# Altium PCB APP_EMILE.PcbDoc (part 1 of 6)
Units mil, origin at the board's own origin, x right, y up, seen from the top; angles counter-clockwise.
Board outline 7620.03 x 9320.03 mil, 12 copper layers (L1_Signal, L2_GND, L3_Signal, L4_GND, L5_Power, L6_GND, L7_GND, L8_Power, L9_GND, L10_Signal, L11_GND, L12_Signal), stack 74.268 mil thick; 395 components, 338 nets, 2140 pads, 1400 vias.
Unrouted connection lines stored in the file: 223.
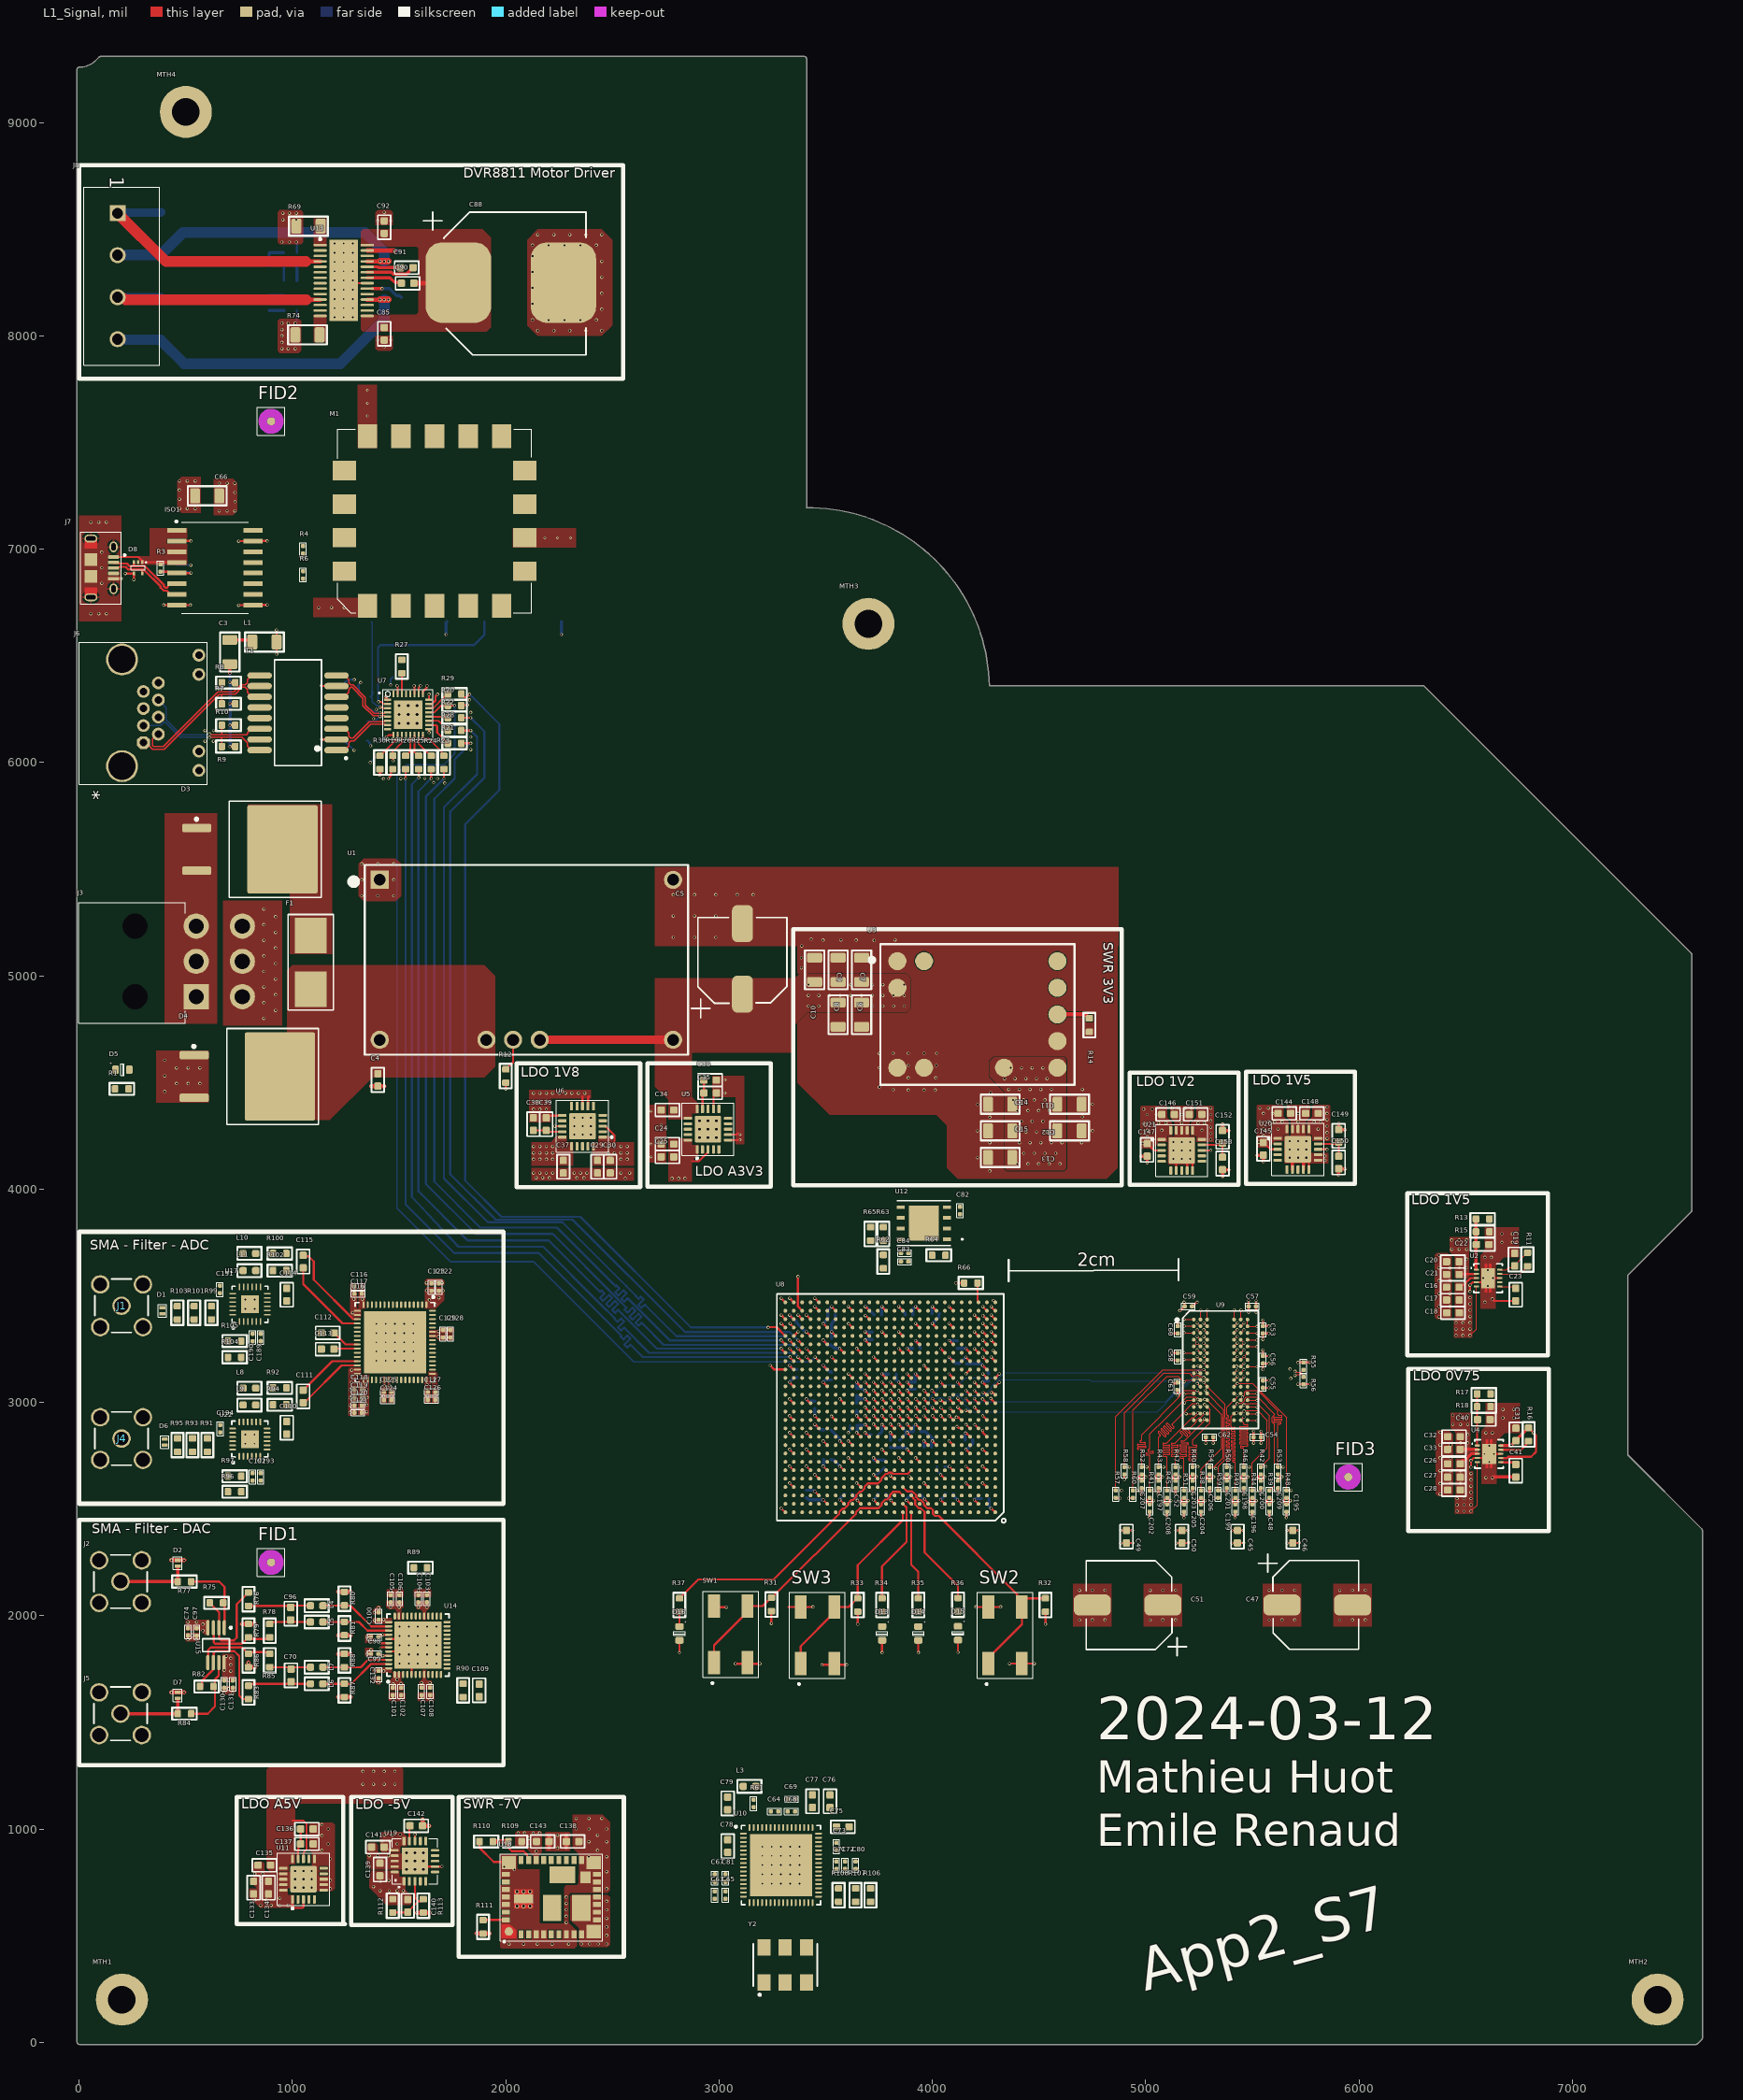
[diagram p0: L1_Signal view]
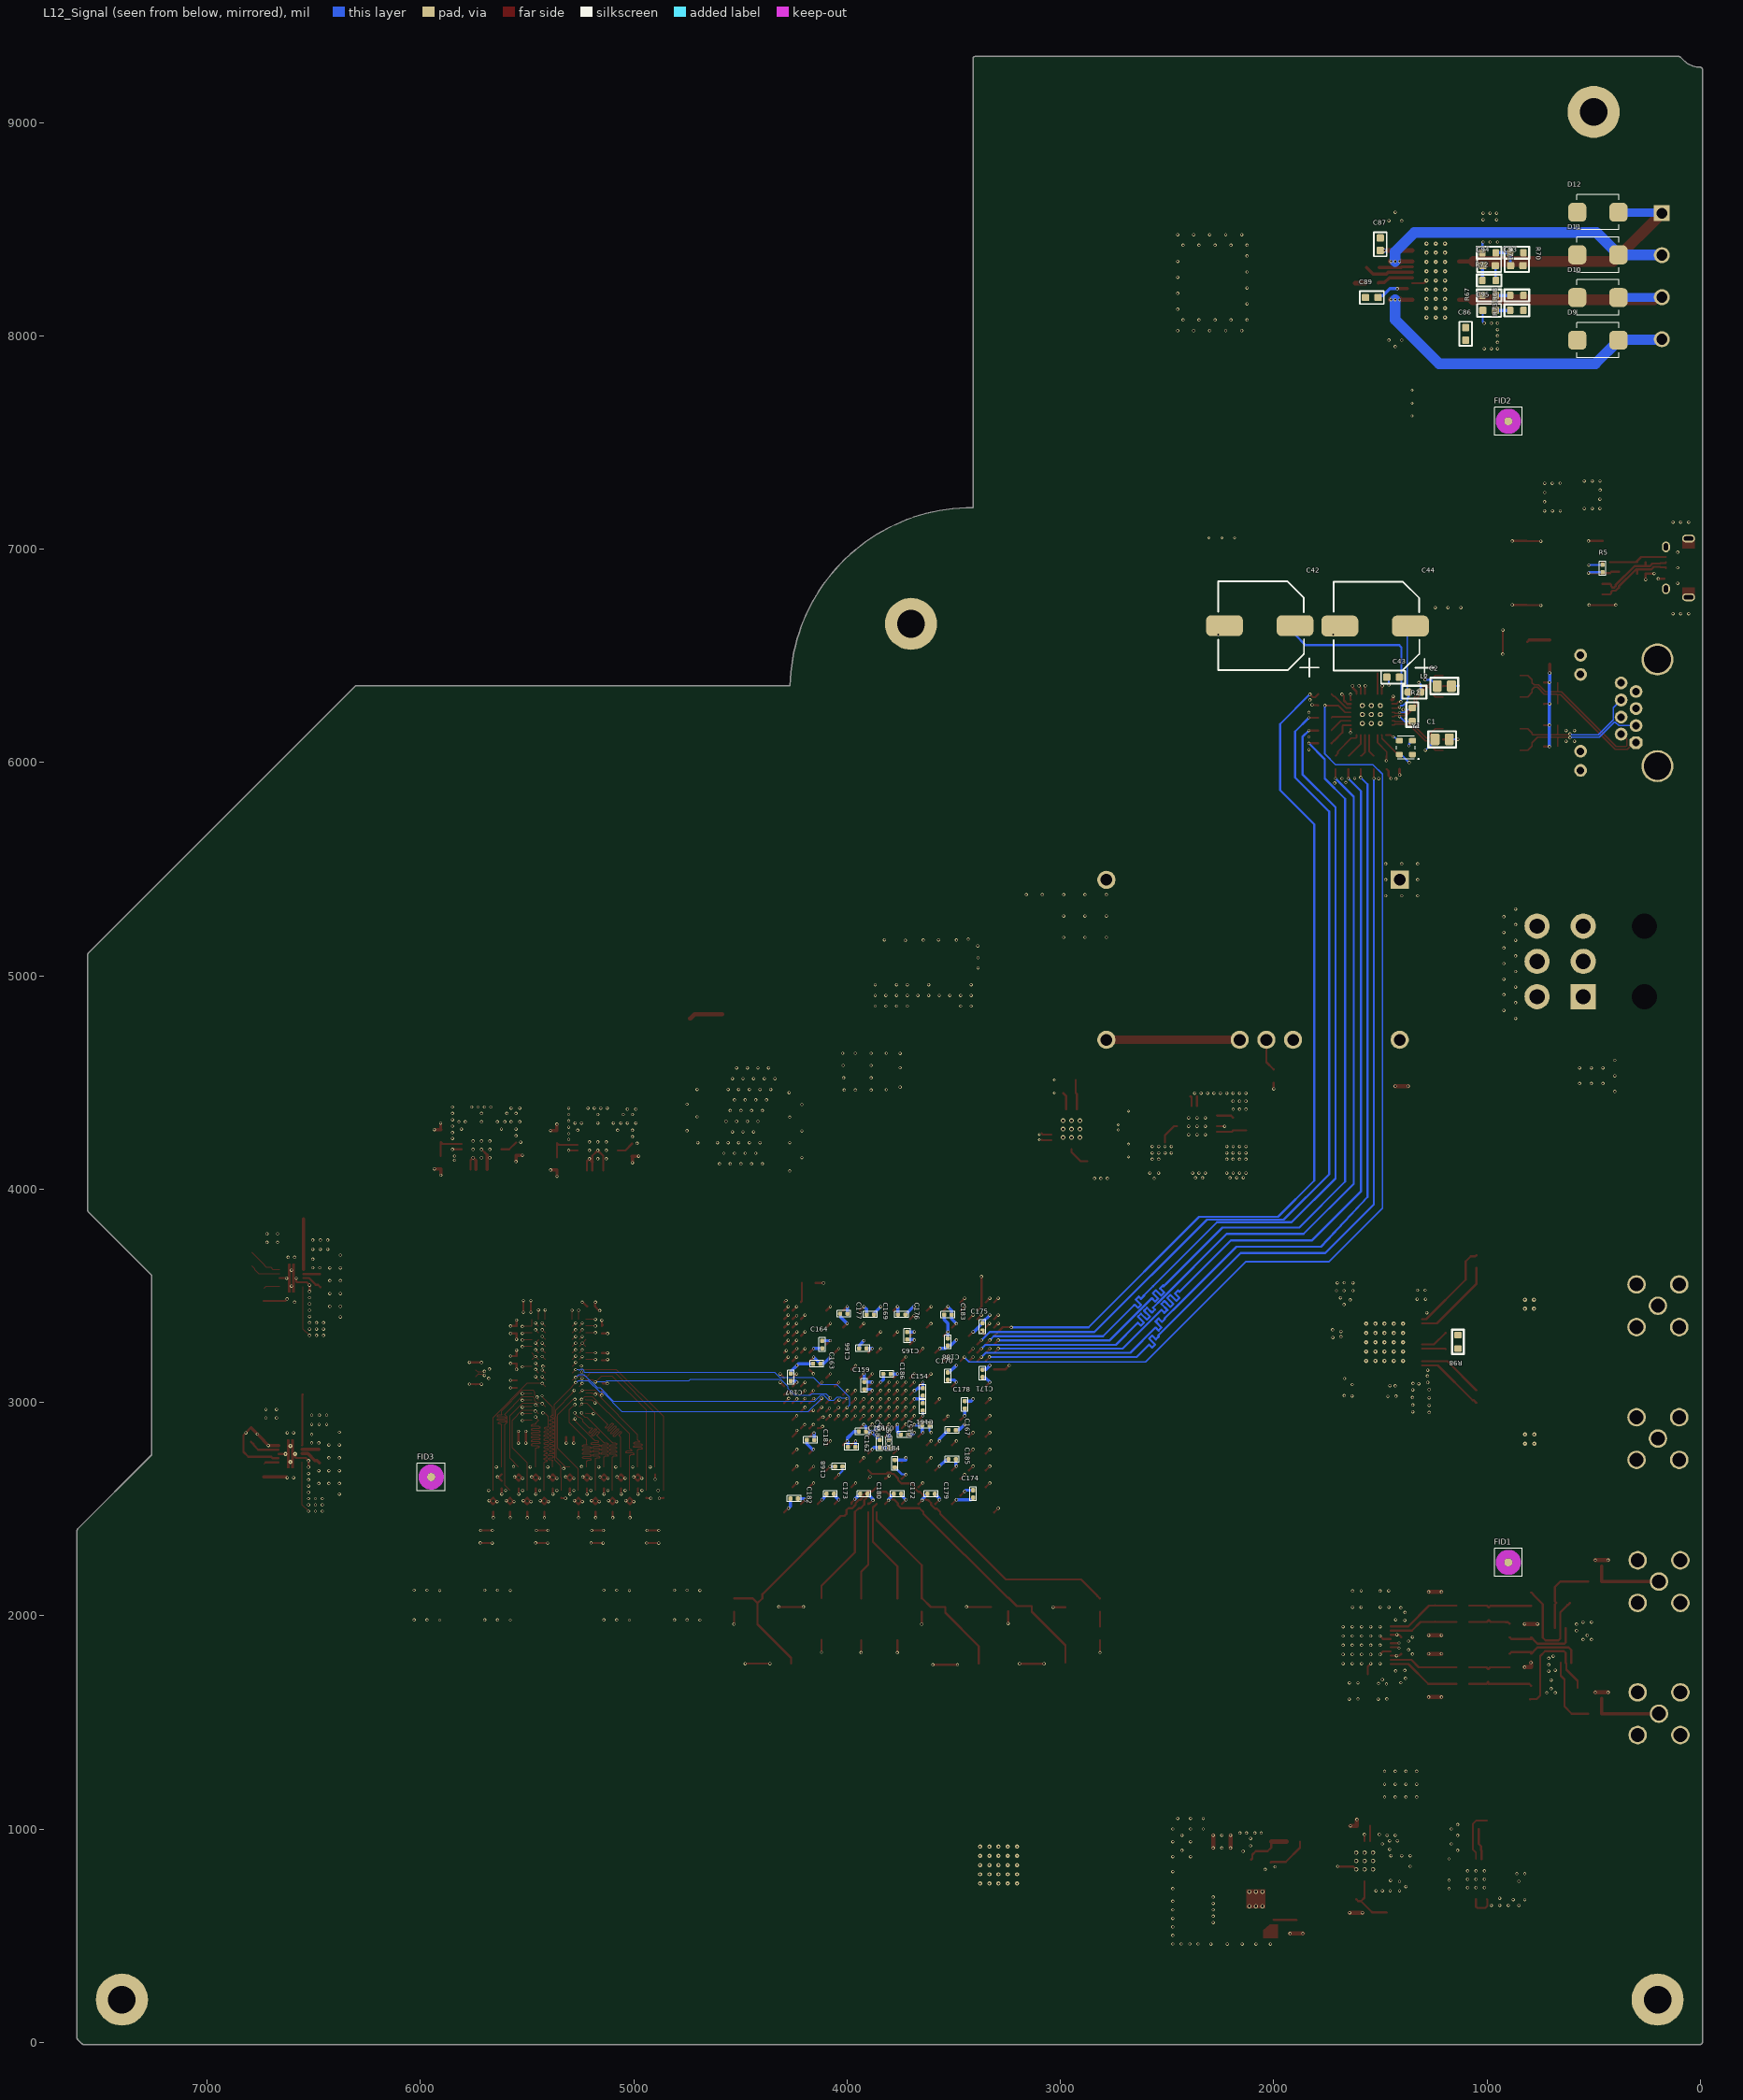
[diagram p1: L12_Signal view, seen from below]
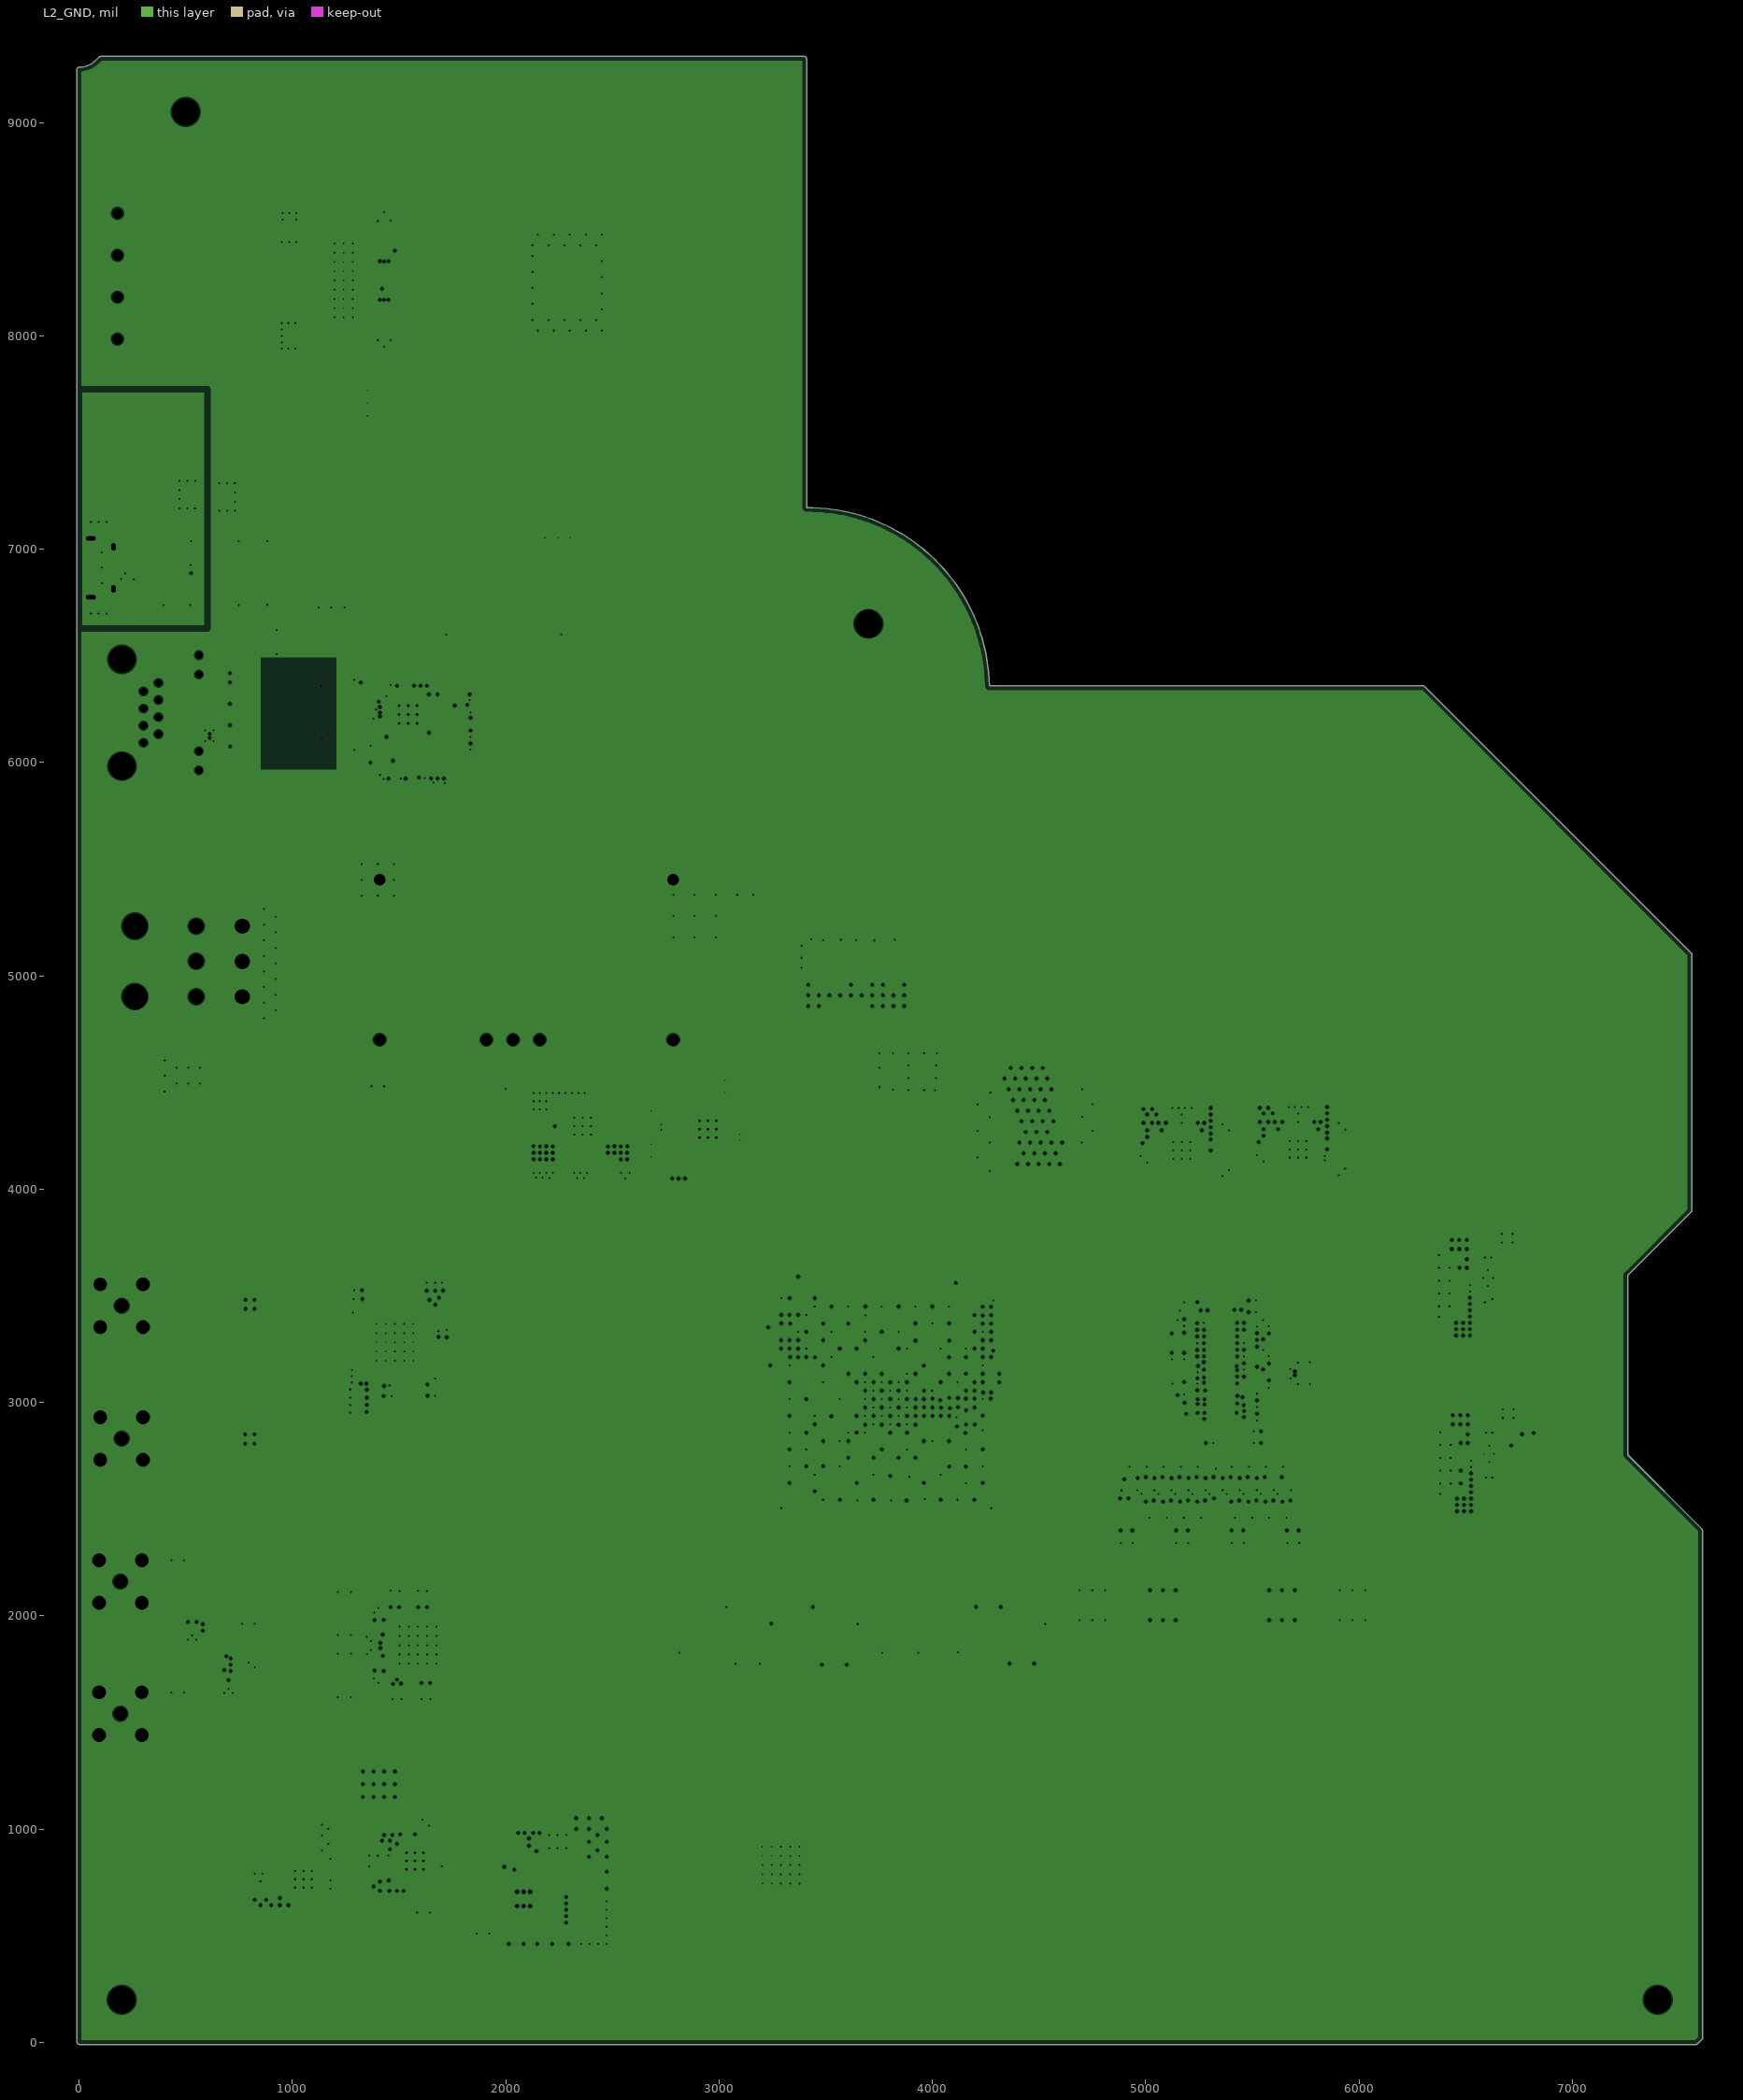
[diagram p2: L2_GND, clearances drawn from the general rule]
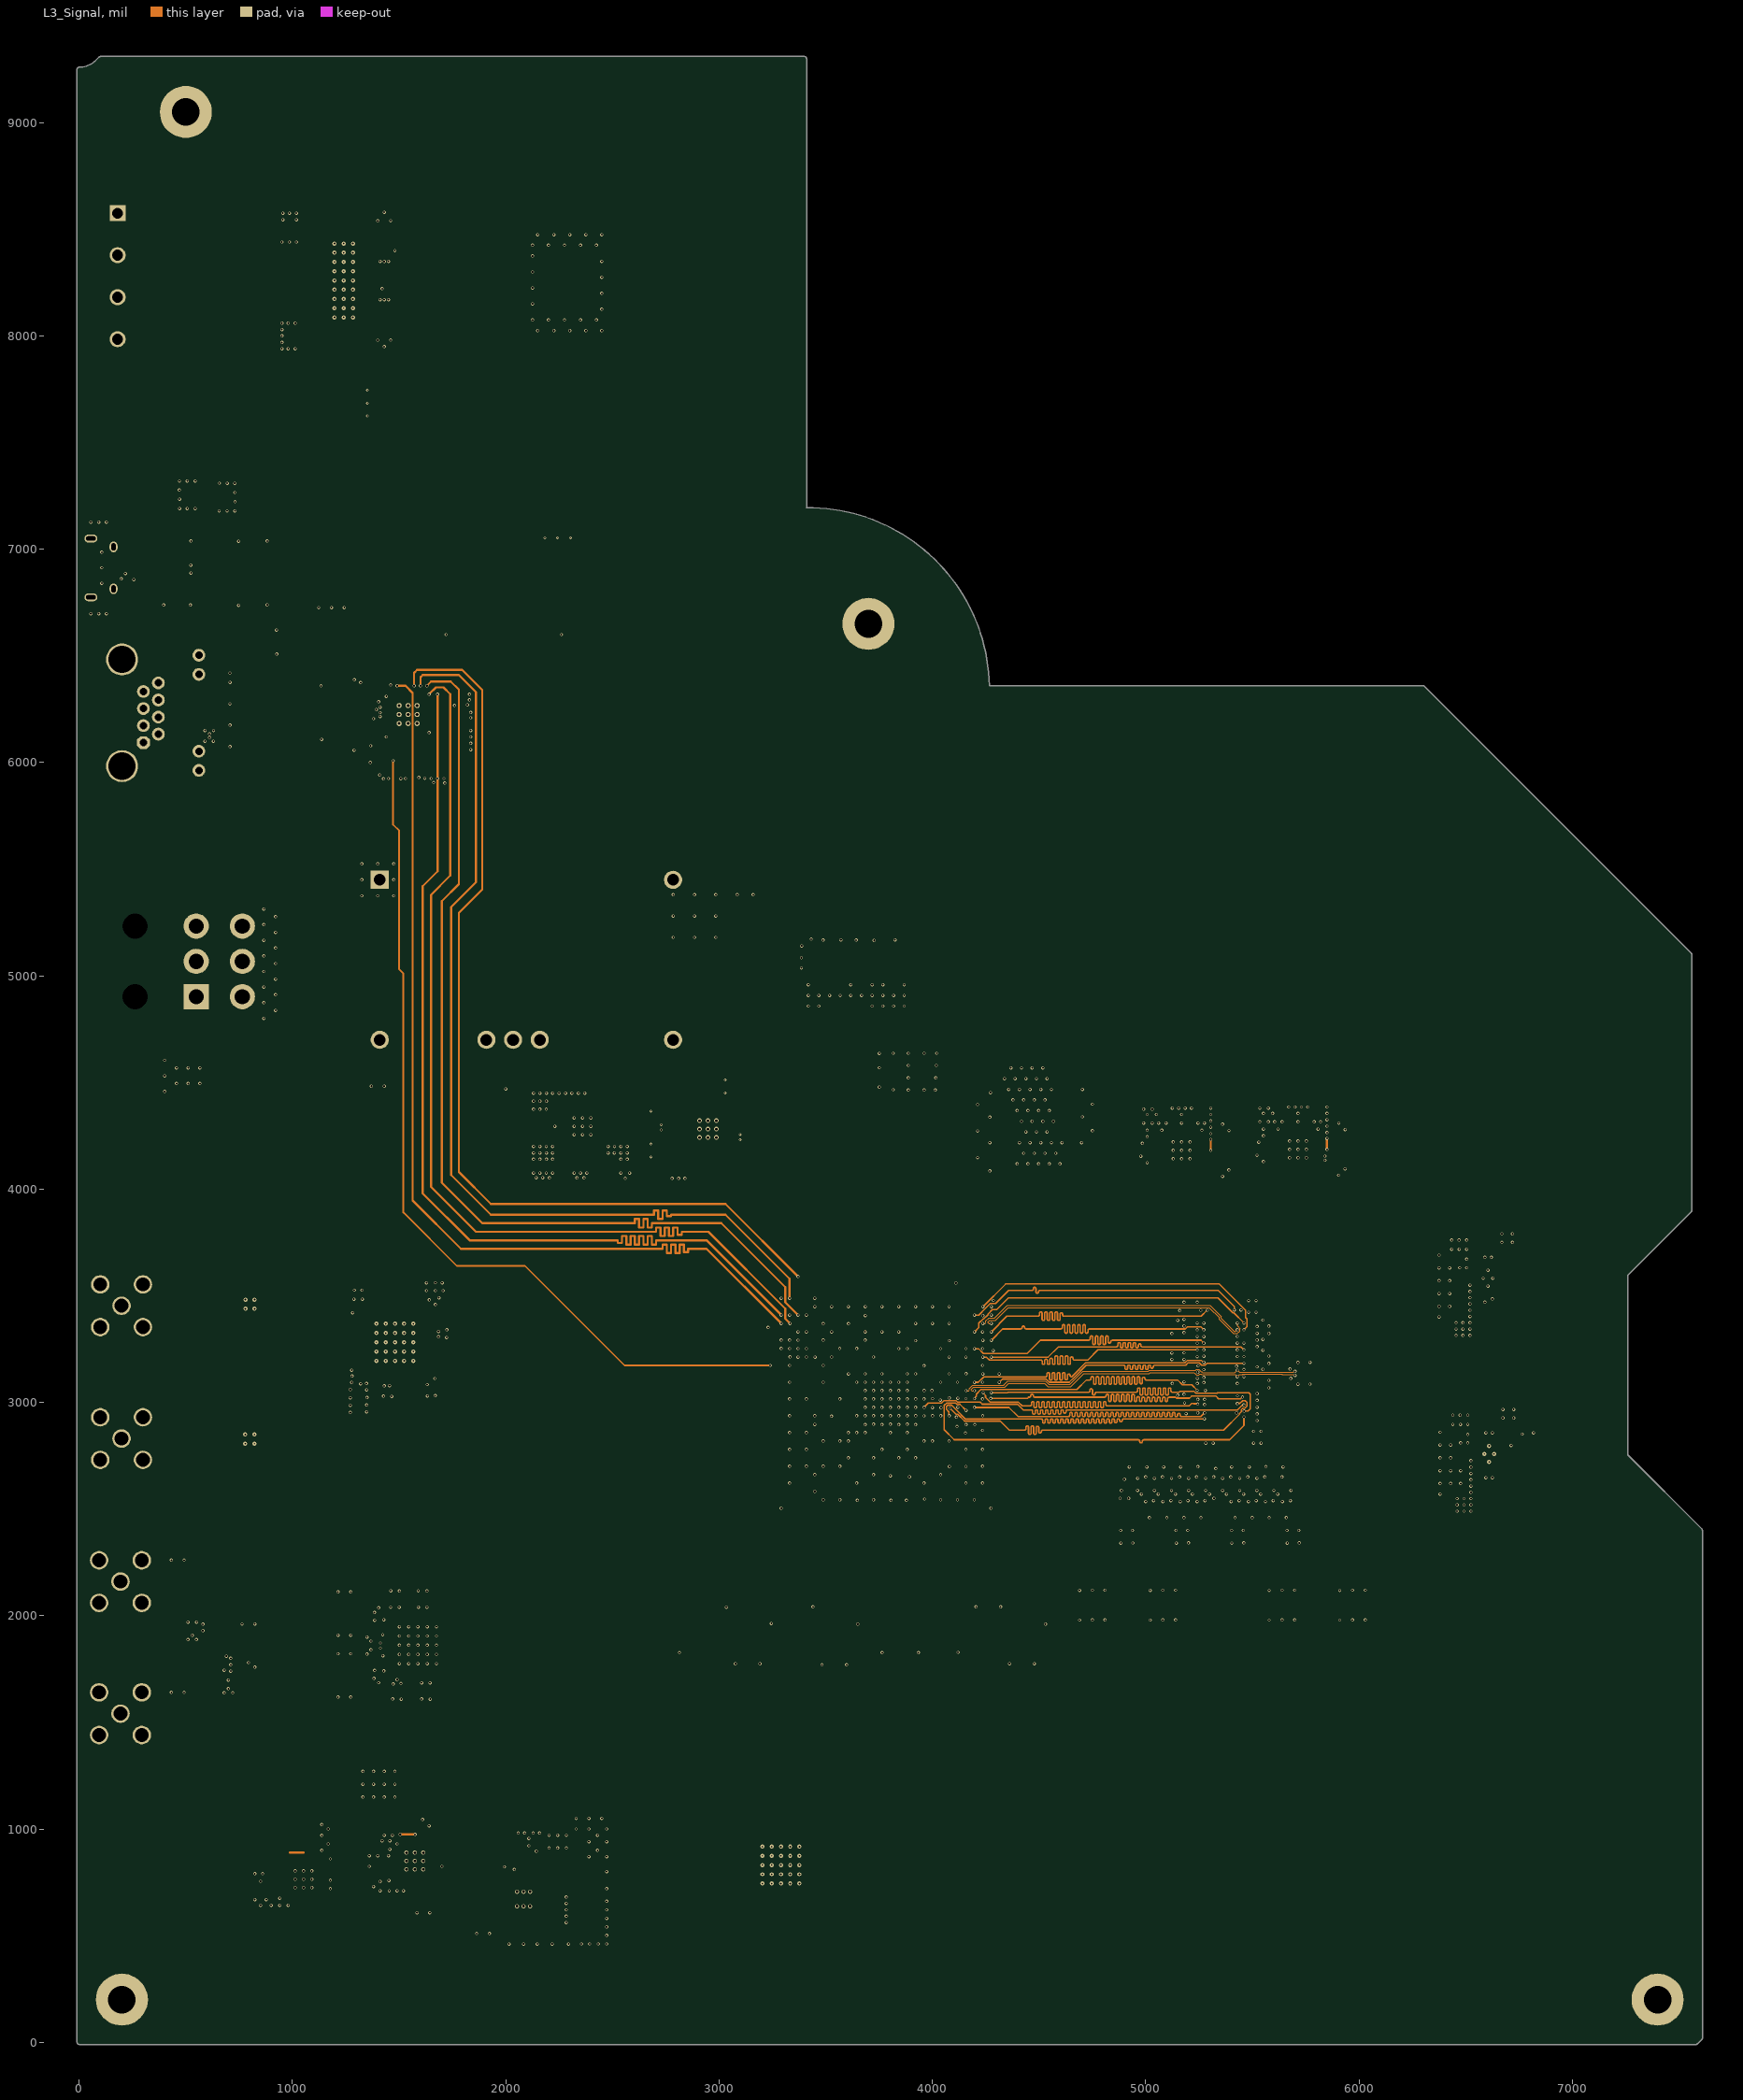
[diagram p3: L3_Signal]